# KiCad board motorgo_plink.kicad_pcb (continued)
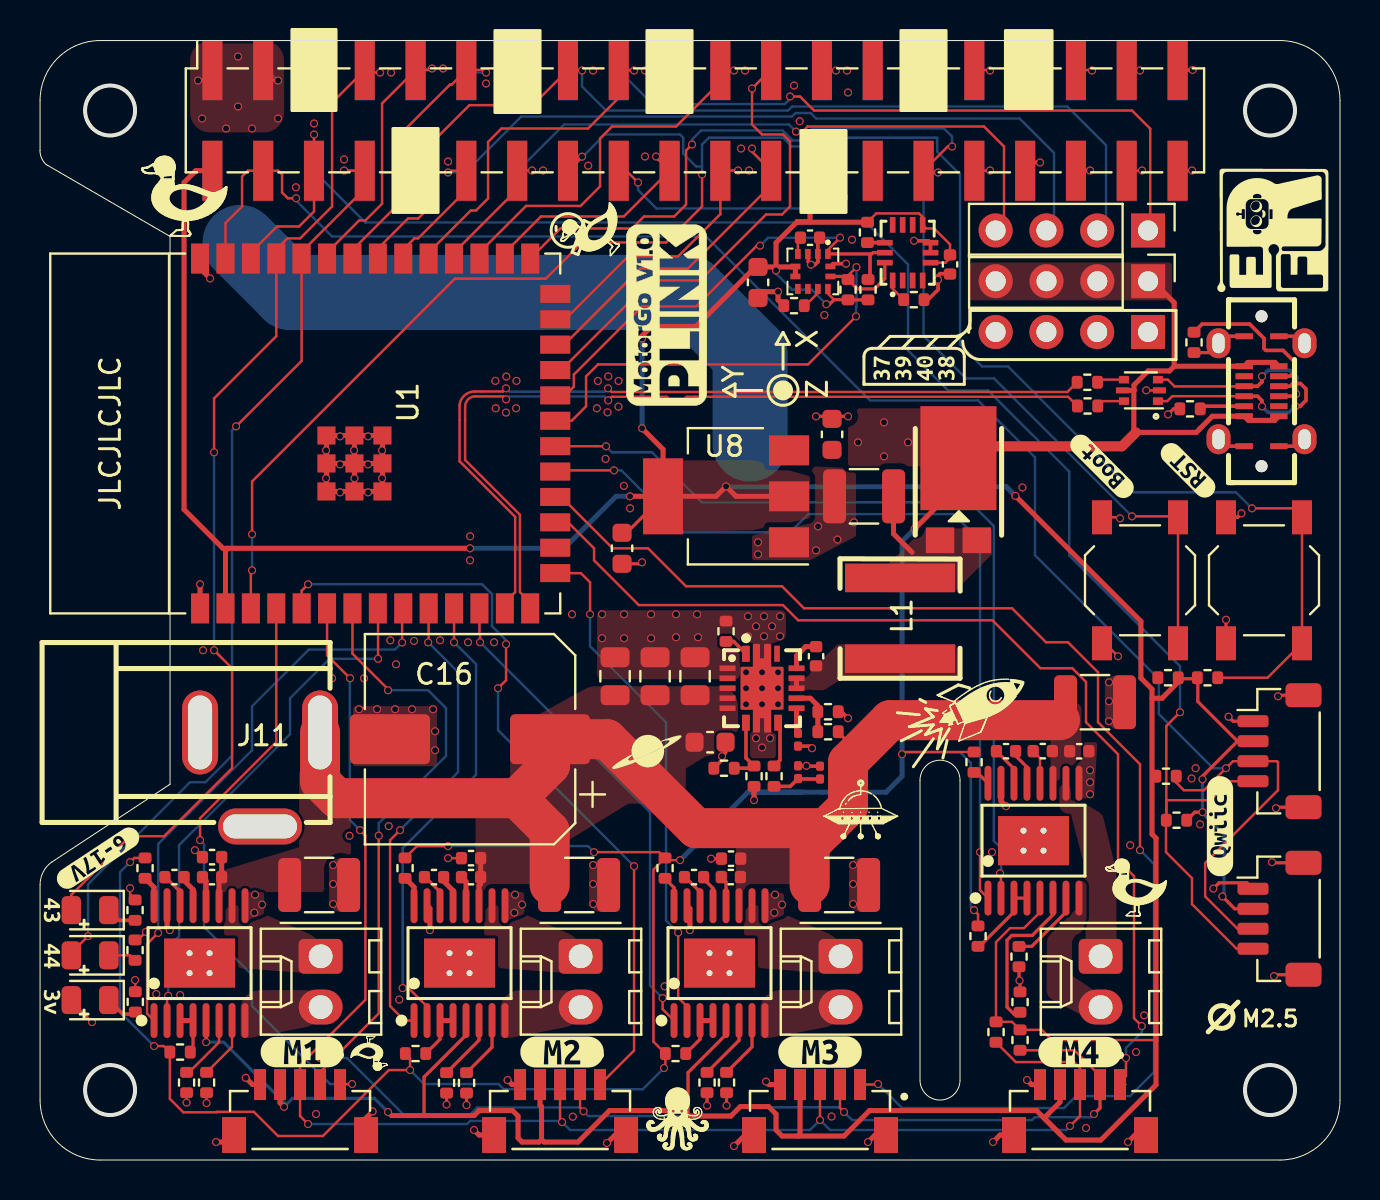
[diagram p0: board, top side]
## Routing (per net, layer and track width the routed paths; a pad name or vN(x,y) marks a point on that pad's centre or on a via; arc(x,y) is an arc through that point) (continued)
Net-(U10-SD0/SA1): length 1.1
  Top w0.12: R46.1 38.26,42.74 38.9,43.37 U10.9
Net-(U11-CS): length 0.9
  Top w0.18: R50.1 42.24,45.89 U11.12
Net-(U11-SDO/SA0): length 1.2
  Top w0.12: U11.1 42.64,43.59 R49.1
unconnected-(J7-Pin_1-Pad1): length 0
  Bottom w0.12: 8.59,49.5 8.61,49.48

## Copper pours and planes (outline as drawn; the poured copper is in the pictures)
+3.3V on Top: 30.2,35 35.7,35 38.5,34.2 38.5,32.1 35.6,31.5 30.2,31.4
+5V on Top: 7.5,56.3 7.5,51.4 12.2,51.4 12.2,56.3
+5V on Top: 40.4,37.6 40.4,34.7 46.8,34.7 47.2,35.1 47.2,37.6
+5V on Top, Bottom: 46.5,44.9 56.5,44.9 56.6,44.8 56.6,43 46.5,43
+5V on Bottom: 36.4,37.6 43.8,37.6 43.8,34 42.1,34 35.53,33.94 36.4,34.8
+5V on Bottom: 6.8,51.5 6.8,55.5 12.4,55.5 12.4,45.4 8.4,44.9 7.7,46.6
GND on Top: 35,27.5 27.85,27.5 27.85,24.05 35,24.05
GND on Top: 15.61,12.41 14.46,12.41 14.46,15.11 15.61,15.11
GND on Top: 54.4,21.55 53.25,21.55 53.25,24.25 54.4,24.25
GND on Top: 38.6,34.7 40.8,34.6 40.8,31.2 38.5,30 35.6,30 35.6,32 38.6,32
GND on Top: 28.61,12.41 27.46,12.41 27.46,15.11 28.61,15.11
GND on Top: 51.8,19.9 51.97,20.91 52.88,20.91 52.7,18.1 51.8,18.1
GND on Top: 15.65,22.7 19.85,22.7 19.85,19.7 15.65,19.7
GND on Top: 23.1,13.4 24.2,13.4 24.2,12.3 23.1,11.9
GND on Top: 36.1,13.35 37.2,13.35 37.2,12.25 36.1,11.85
GND on Top: 41.61,12.41 40.46,12.41 40.46,15.11 41.61,15.11
GND on Top: 10.1,13.4 11.2,13.4 11.2,12.3 10.1,11.9
GND on Top: 35.7,24.6 35.7,25.8 35,26.1 35,27.5 37.3,27.5 37.3,26.1 36.5,25.8 36.5,24.6 37.1,24.6 37.1,22.6 36.5,22.6 36.5,21.5 36.9,21.3 36.9,20.1 35.4,20.1 35.4,21.3 35.7,21.5 35.7,22.6 35.1,22.6 35.1,24.6
GND on In1.Cu: 58.5,51.5 60.25,49.5 65,49.5 65,6.55 60,6.5 58.5,4.5 58.5,0 6.35,0 6.35,4.5 4.75,6.35 0,6.35 0,14.3 6.71,18.74 6.7,46.25 6.75,51.5 6.75,55.5 58.5,55.5
GND on In1.Cu, In2.Cu: 6.75,55.5 58.5,55.5 58.5,51.5 60.25,49.5 65,49.5 65,6.55 60,6.5 58.5,4.5 58.5,0 6.35,0 6.35,4.5 4.75,6.35 0,6.35 0,14.3 6.71,18.74 6.7,46.25 6.75,51.5
+BATT on Top: 21.78,12.85 22.13,12.85 22.13,13.42 22.33,13.7 22.5,13.8 24.7,13.8 24.7,17.47 21.78,17.47
+BATT on Top: 8.85,14.4 8.85,13.4 14.2,13.4 15.55,14.5 15.55,18.2 14.2,19.45 12.95,19.45 12.95,15.65
+BATT on Top: 34.78,12.85 35.13,12.85 35.13,13.42 35.33,13.7 35.5,13.8 37.7,13.8 37.73,15.9 34.8,15.9
+BATT on Top: 49.68,22.83 50.53,21.25 50.53,18.97 50.9,18.95 52.08,20.2 52.08,22.83
+BATT on Top: 34.9,23.7 34.9,20.56 33.25,20.17 32.29,19.59 32.29,17.83 29.42,17.83 25.58,15.47 23.5,17.42 23.5,21.5 27.5,23.7
/motor_controls1/motor_out1 on Top: 9.2,12.75 10.2,12.75 14.05,11.05 14.05,9.3 9.2,9.65
/motor_controls1/motor_out2 on Top: 10,6.1 10.45,6.1 14.1,6.8 14.1,8.5 10,8.5
/motor_controls2/motor_out1 on Top: 22.2,12.75 23.2,12.75 27.05,11.05 27.05,9.3 22.2,9.65
/motor_controls2/motor_out2 on Top: 23,6.1 23.45,6.1 27.1,6.8 27.1,8.5 23,8.5
/motor_controls3/motor_out1 on Top: 35.2,12.75 36.2,12.75 40.05,11.05 40.05,9.3 35.2,9.65
/motor_controls3/motor_out2 on Top: 36,6.1 36.45,6.1 40.1,6.8 40.1,8.5 36,8.5
/motor_controls4/motor_out1 on Top: 50.95,18.8 51.53,18.8 51.55,18 52.15,17.88 53.13,17.3 53.83,14.42 53.83,9.35 52.28,9.33 52.28,14.5 51.55,17.28 50.98,17.45
/motor_controls4/motor_out2 on Top: 51.78,13.97 52.33,13.97 52.33,12.1 52.1,11.4 51.78,11.25 51.6,10.95 51.6,9.22 52.98,8.3 52.98,6.78 50.33,8.17 50.35,11.12 51.78,12.53
Net-(C22-Pad1) on Top: 37.4,23.5 39.19,23.5 40.3,24.2 45.89,24.19 45.82,25.8 39.89,25.8 38.25,24.23 37.41,24.23
Net-(C23-Pad1) on Top: 42.2,29.6 44.2,31.6 47.6,31.6 47.6,30.3 45.7,28.4 42.3,28.4 42.2,28.5

## Text on the board
B.Silkscreen: 5V | GND | 38 40 39 37
F.Silkscreen: M2.5 | Y | X | Z
User.4: R = 3mm
